# KiCad board mini Inverter.kicad_pcb
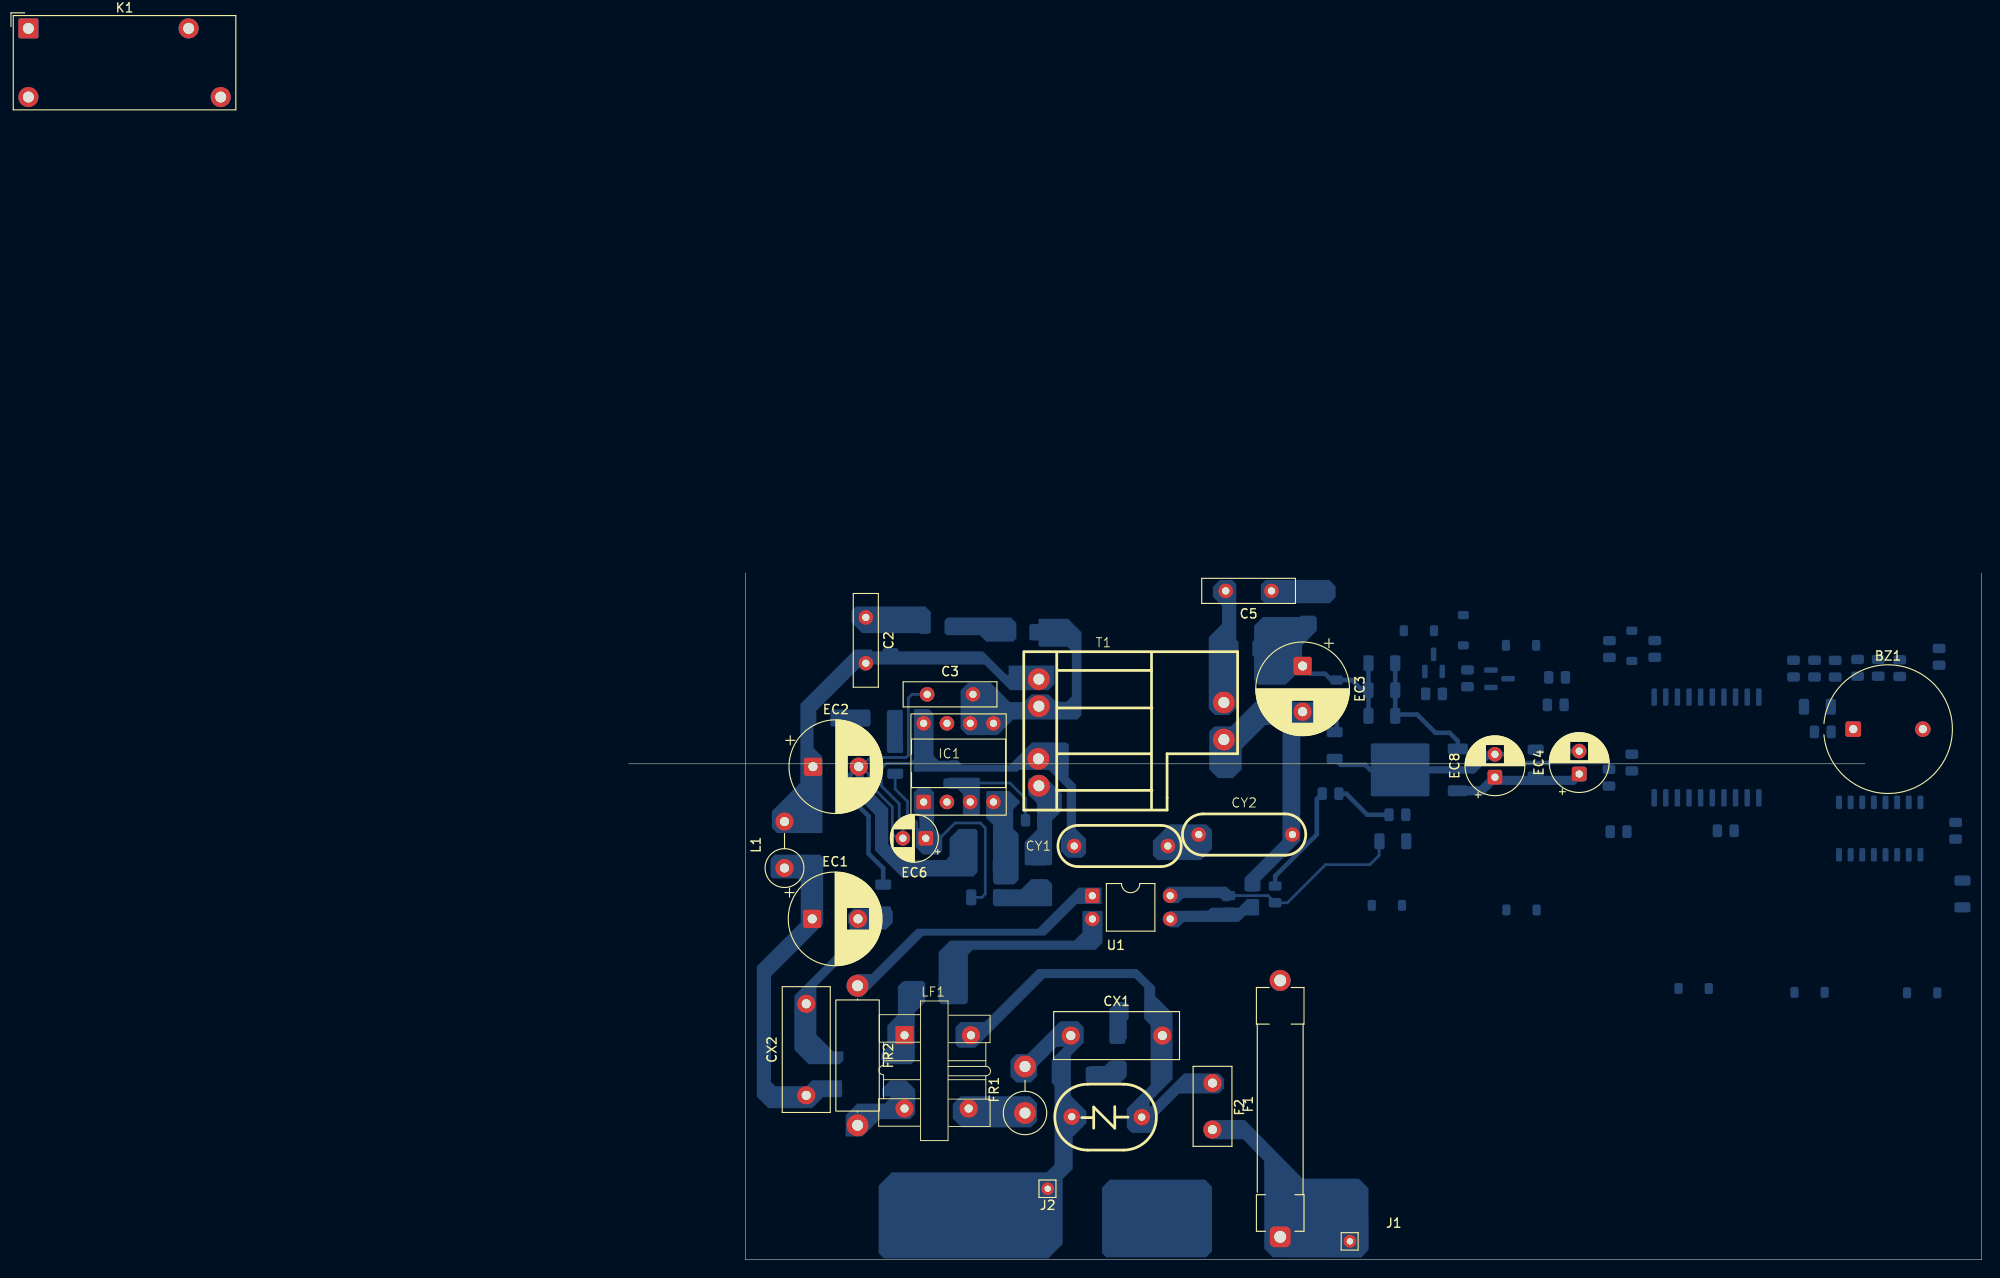
[diagram p0: board, top side]
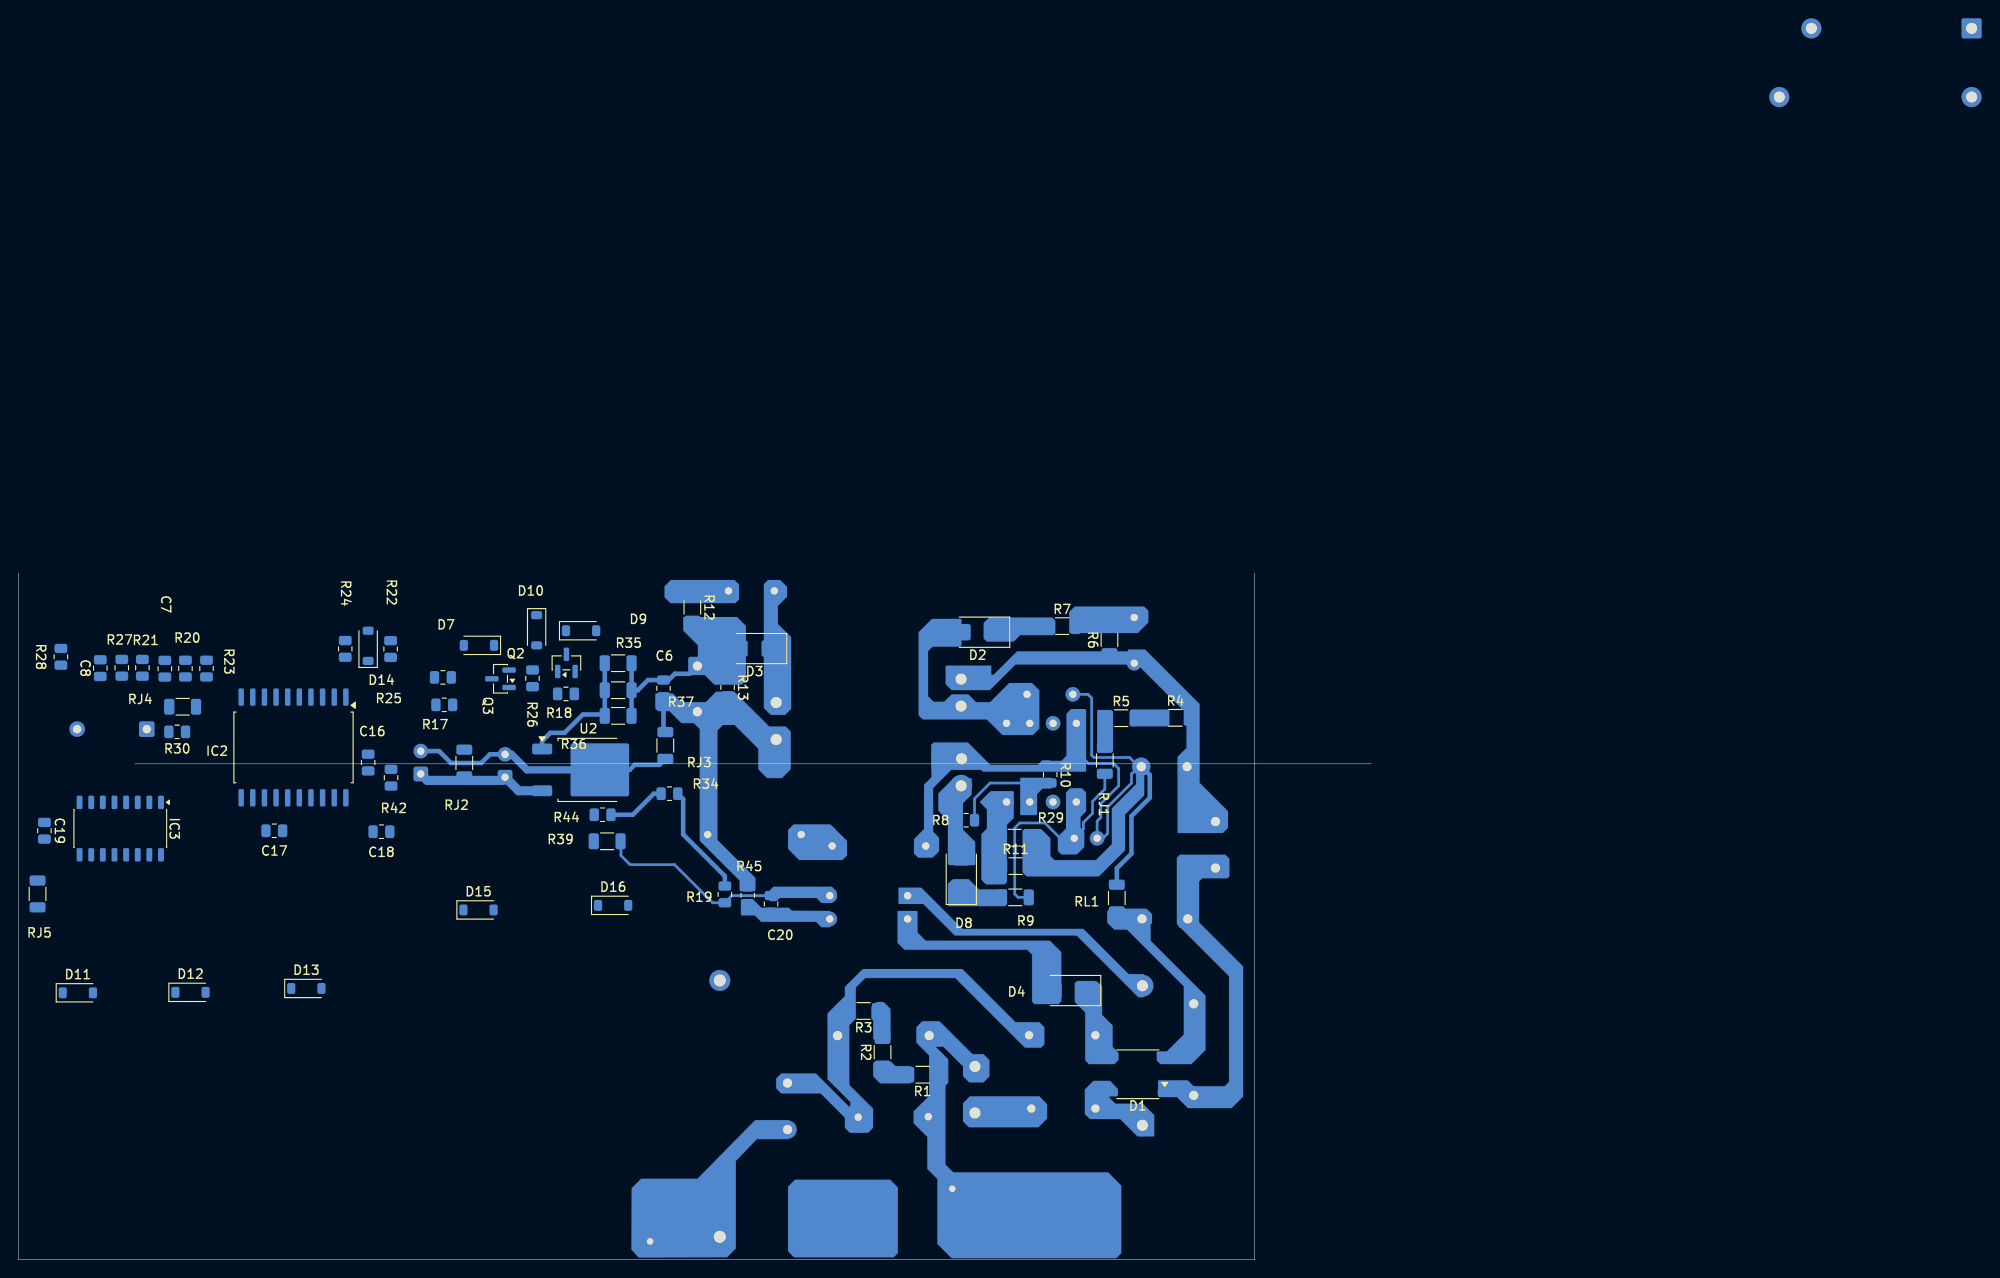
[diagram p1: board, bottom side, seen from below]

Outline 147.75 x 75 mm; copper layers: Top, Bottom. Coordinates in mm from the lower left corner of the outline.
Outline path: 12.75,75 12.75,0 147.75,0 147.75,75 ; 135,54.16 0,54.16

## Placement (name value [footprint] x y rotation side)
BZ1  Buzzer  [Indicator_PUI_AI-1440-TWT-24V-2-R]  133.72 57.95 0 top
C2  C  [C_Disc_D10.0mm_W2.5mm_P5.00mm]  25.9 70.15 270 top
C3  C  [C_Disc_D10.0mm_W2.5mm_P5.00mm]  32.6 61.75 0 top
C4  C_Variable  [RV_Disc_D12mm_W7.1mm_P7.5mm]  52.02 15.55 0 top
C5  C  [C_Disc_D10.0mm_W2.5mm_P5.00mm]  70.2 73.05 180 top
C6  0805  [R_0805_2012Metric]  77.3 62.4 270 bottom
C7  0805  [R_0805_2012Metric]  131.75 64.55 270 bottom
C8  0805  [R_0805_2012Metric]  138.8 64.61 90 bottom
C16  0805  [R_0805_2012Metric]  109.55 54.3 270 bottom
C17  0805  [R_0805_2012Metric]  119.8 46.85 180 bottom
C18  0805  [R_0805_2012Metric]  108.1 46.75 180 bottom
C19  0805  [R_0805_2012Metric]  144.9 46.85 270 bottom
C20  0805  [R_0805_2012Metric]  65.55 38.86 270 bottom
CX1  0.1u  [C_Rect_L13.5mm_W5.0mm_P10.00mm_FKS3_FKP3_MKS4]  48.29 24.47 0 top
CX2  0.1u  [C_Rect_L13.5mm_W5.0mm_P10.00mm_FKS3_FKP3_MKS4]  19.4 17.95 90 top
CY1  C  [TU CY]  53.6 45.2 0 top
CY2  C  [TU CY]  67.2 46.45 0 top
D1  MDB10S  [TSSOP-4_4.4x5mm_P4mm]  25.51 20.25 0 bottom
D2  1N4007  [D_SMA]  43 68.54 0 bottom
D3  1N4007  [D_SMA]  67.35 66.75 0 bottom
D4  1N4007  [D_SMA]  33.06 29.4 0 bottom
D7  1N4148W  [D_SOD-123]  97.45 67.1 0 bottom
D8  1N4007  [D_SMA]  44.78 42.3 90 bottom
D9  1N4148W  [D_SOD-123]  86.3 68.7 180 bottom
D10  1N4148W  [D_SOD-123]  91.15 68.75 270 bottom
D11  1N4148W  [D_SOD-123]  141.25 29.15 180 bottom
D12  1N4148W  [D_SOD-123]  128.95 29.2 180 bottom
D13  1N4148W  [D_SOD-123]  116.3 29.62 180 bottom
D14  1N4148W  [D_SOD-123]  109.55 67.05 90 bottom
D15  1N4148W  [D_SOD-123]  97.5 38.2 180 bottom
D16  1N4148W  [D_SOD-123]  82.8 38.7 180 bottom
EC1  C_Polarized  [CP_Radial_D10.0mm_P5.00mm]  20.05 37.22 0 top
EC2  C_Polarized  [CP_Radial_D10.0mm_P5.00mm]  20.13 53.85 0 top
EC3  C_Polarized  [CP_Radial_D10.0mm_P5.00mm]  73.6 64.85 270 top
EC4  C_Polarized  [CP_Radial_D6.3mm_P2.50mm]  103.8 53.05 90 top
EC6  C_Polarized  [CP_Radial_D5.0mm_P2.50mm]  32.45 46.03 180 top
EC8  C_Polarized  [CP_Radial_D6.3mm_P2.50mm]  94.6 52.7 90 top
F1  16A  [FUSE 16A D28mm]  71.15 2.5 90 top
F2  3.15A  [Fuse_Littelfuse_395Series]  63.76 19.29 270 top
FR1  R  [R_Axial_DIN0414_L11.9mm_D4.5mm_P5.08mm_Vertical]  43.29 16.03 90 top
FR2  R  [R_Axial_DIN0414_L11.9mm_D4.5mm_P15.24mm_Horizontal]  25 29.92 270 top
IC1  KP2122DP  [DIP8 KP2122DP]  35.02 54.77 0 top
IC2  SOP20_IC  [SOP-20_7.5x12.8mm_P1.27mm]  117.7 55.95 270 bottom
IC3  SOP16_IC  [JEITA_SOIC-16_3.9x9.9mm_P1.27mm]  136.62 47.09 270 bottom
J1  ACL  [Pin_D0.7mm_L6.5mm_W1.8mm_FlatFork]  78.76 2 0 top
J2  ACN  [Pin_D0.7mm_L6.5mm_W1.8mm_FlatFork]  45.76 7.75 0 top
K1  ADW11  [Relay_SPST_Panasonic_ADW11]  -65.54 134.49 0 top
L1  L  [L_Axial_L9.5mm_D4.0mm_P5.08mm_Vertical_Fastron_SMCC]  17.03 42.78 90 top
LF1  L_Coupled_1243  [UUAC]  33.99 36.5 0 top
Q2  AO3400A  [SOT-23]  87.9 65.19 90 bottom
Q3  AO3400A  [SOT-23]  95.1 63.45 0 bottom
R1  R  [R_1206_3216Metric]  49.01 20.2 0 bottom
R2  R  [R_1206_3216Metric]  53.38 22.66 90 bottom
R3  R  [R_1206_3216Metric]  55.45 27.17 0 bottom
R4  0  [R_1206_3216Metric]  21.4 59.19 180 bottom
R5  0  [R_1206_3216Metric]  27.32 59.15 180 bottom
R6  0  [R_1206_3216Metric]  28.6 67.7 90 bottom
R7  0  [R_1206_3216Metric]  33.77 69.2 180 bottom
R8  0  [R_0805_2012Metric]  44.25 48 180 bottom
R9  0  [R_1206_3216Metric]  38.88 39.57 180 bottom
R10  0  [R_0805_2012Metric]  35.07 52.98 270 bottom
R11  0  [R_1206_3216Metric]  38.86 42.99 180 bottom
R12  1206  [R_1206_3216Metric]  74.15 71.25 270 bottom
R13  0805  [R_0805_2012Metric]  70.3 62.5 270 bottom
R17  0805  [R_0805_2012Metric]  101.24 60.6 180 bottom
R18  0805  [R_0805_2012Metric]  87.95 61.8 180 bottom
R19  0805  [R_0805_2012Metric]  70.6 39.9 270 bottom
R20  0805  [R_0805_2012Metric]  129.5 64.56 90 bottom
R21  0805  [R_0805_2012Metric]  134.2 64.65 90 bottom
R22  0805  [R_0805_2012Metric]  107.1 66.7 90 bottom
R23  0805  [R_0805_2012Metric]  127.2 64.56 270 bottom
R24  0805  [R_0805_2012Metric]  112.05 66.71 90 bottom
R25  0805  [R_0805_2012Metric]  101.39 63.6 180 bottom
R26  0805  [R_0805_2012Metric]  91.6 63.5 90 bottom
R27  0805  [R_0805_2012Metric]  136.45 64.65 90 bottom
R28  0805  [R_0805_2012Metric]  143.1 65.85 270 bottom
R29  0  [R_1206_3216Metric]  38.95 46.09 180 bottom
R30  0805  [R_0805_2012Metric]  130.4 57.65 180 bottom
R34  0805  [R_0805_2012Metric]  76.65 50.9 180 bottom
R35  1206  [R_1206_3216Metric]  82.25 65.15 0 bottom
R36  1206  [R_1206_3216Metric]  82.25 62.2 0 bottom
R37  1206  [R_1206_3216Metric]  82.25 59.4 0 bottom
R39  1206  [R_1206_3216Metric]  83.45 45.7 0 bottom
R42  0805  [R_0805_2012Metric]  107.05 52.65 90 bottom
R44  0805  [R_0805_2012Metric]  83.95 48.6 0 bottom
R45  0805  [R_0805_2012Metric]  68.1 39.8 270 bottom
RJ1  0  [R_1206_3216Metric]  29.11 54.53 90 bottom
RJ2  1206  [R_1206_3216Metric]  99.05 54.25 270 bottom
RJ3  1206  [R_1206_3216Metric]  77.1 56.16 270 bottom
RJ4  1206  [R_1206_3216Metric]  129.81 60.39 180 bottom
RJ5  1206  [R_1206_3216Metric]  145.65 39.95 270 bottom
RL1  0  [R_1206_3216Metric]  27.8 39.5 270 bottom
T1  ~  [Bien_ap_KP2122]  53.33 69.8 0 top
U1  LTV-817  [DIP-4_W7.62mm]  50.64 39.75 0 top
U2  L7805  [TO-252-2]  85.51 53.5 180 bottom

## Library data of the parts
BZ1 = -: Description: Buzzer, polarized; ki_fp_filters: *Buzzer*
C2 C3 C5 CX1 CX2 = -: Description: Unpolarized capacitor; KiLib_Generator: capacitor/THT/other; ki_fp_filters: C_*
C4 = -: Description: Variable capacitor
C6-C8 C16-C20 = -: Description: Unpolarized capacitor; KiLib_Generator: SMD_2terminal_chip_molded; ki_fp_filters: C_*
CY1 CY2 = -: Description: Unpolarized capacitor; ki_fp_filters: C_*
D1 = -: Datasheet: https://www.onsemi.com/pub/Collateral/MDB8S-D.PDF; Description: Single-Phase Bridge Rectifier, 700V Vrms, 1A If, TSSOP-4; KiLib_Generator: package/gullwing; ki_fp_filters: TSSOP*4.4x5mm*P4mm*
D2-D4 D8 = -: Datasheet: http://www.vishay.com/docs/88503/1n4001.pdf; Description: 1000V 1A General Purpose Rectifier Diode, DO-41; Sim.Device: D; Sim.Pins: 1=K 2=A; ki_fp_filters: D*DO?41*
D7 D9-D16 = -: Datasheet: https://www.vishay.com/docs/85748/1n4148w.pdf; Description: 75V 0.15A Fast Switching Diode, SOD-123; Sim.Device: D; Sim.Pins: 1=K 2=A; ki_fp_filters: D*SOD?123*
EC1-EC4 EC6 EC8 = -: Description: Polarized capacitor; KiLib_Generator: capacitor/THT/other; ki_fp_filters: CP_*
F1 F2 = -: Description: Fuse; ki_fp_filters: *Fuse*
FR1 FR2 = -: Description: Resistor; KiLib_Generator: resistor/THT; ki_fp_filters: R_*
IC1 = -: Datasheet: https://assets.nexperia.com/documents/data-sheet/74AHC_AHCT244.pdf; Description: 8-bit Buffer/Line Driver 3-state; ki_fp_filters: TSSOP*4.4x6.5mm*P0.65mm* SSOP*4.4x6.5mm*P0.65mm*
IC2 IC3 = -: KiLib_Generator: package/gullwing; ki_fp_filters: DIP*W7.62mm*
J1 J2 = -: Description: Generic screw terminal, single row, 01x01, script generated (kicad-library-utils/schlib/autogen/connector/); ki_fp_filters: TerminalBlock*:*
K1 = -: Datasheet: https://api.pim.na.industrial.panasonic.com/file_stream/main/fileversion/270; Description: Panasonic, 8A/16A, Small Polarized Latching Power Relays, Single coil, 1 Form A; ki_fp_filters: Relay*SPST*Panasonic*ADW11*
L1 = -: Description: Inductor; KiLib_Generator: choke_THT; ki_fp_filters: Choke_* *Coil* Inductor_* L_*
LF1 = -: Description: Coupled inductor; ki_fp_filters: Choke_* *Coil* Inductor_* L_*
Q2 Q3 = -: Datasheet: http://www.aosmd.com/pdfs/datasheet/AO3400A.pdf; Description: 30V Vds, 5.7A Id, N-Channel MOSFET, SOT-23; KiLib_Generator: package/gullwing; ki_fp_filters: SOT?23*
R1-R13 R17-R30 R34-R37 R39 R42 R44 R45 RJ1-RJ5 RL1 = -: Description: Resistor; KiLib_Generator: SMD_2terminal_chip_molded; ki_fp_filters: R_*
U1 = -: Datasheet: http://www.us.liteon.com/downloads/LTV-817-827-847.PDF; Description: DC Optocoupler, Vce 35V, CTR 50%, DIP-4; KiLib_Generator: package/DIP/legacy; ki_fp_filters: DIP*W7.62mm*
U2 = -: Datasheet: http://www.st.com/content/ccc/resource/technical/document/datasheet/41/4f/b3/b0/12/d4/47/88/CD00000444.pdf/files/CD00000444.pdf/jcr:content/translations/en.CD00000444.pdf; Description: Positive 1.5A 35V Linear Regulator, Fixed Output 5V, TO-220/TO-263/TO-252; KiLib_Generator: package/TO_SOT/SMD; ki_fp_filters: TO?252* TO?263* TO?220*

## Footprints (pads in the part's own frame, mm; a bottom-side part is the same pattern mirrored in y, then rotated)
Bien_ap_KP2122
  round 2.4 hole 1.2: 1(-8.53,-6.39) 2(-8.53,-9.34) 3(-8.58,-15.09) 4(-8.53,-18.04) 5(11.67,-12.99) 6(11.67,-8.94)
C_Disc_D10.0mm_W2.5mm_P5.00mm
  round 1.6 hole 0.8: 1(0,0) 2(5,0)
C_Rect_L13.5mm_W5.0mm_P10.00mm_FKS3_FKP3_MKS4
  round 2 hole 1: 1(0,0) 2(10,0)
CP_Radial_D5.0mm_P2.50mm
  rrect 1.6x1.6 hole 0.8: 1(0,0)
  round 1.6 hole 0.8: 2(2.5,0)
CP_Radial_D6.3mm_P2.50mm
  rrect 1.6x1.6 hole 0.8: 1(0,0)
  round 1.6 hole 0.8: 2(2.5,0)
CP_Radial_D10.0mm_P5.00mm
  rrect 2x2 hole 1: 1(0,0)
  round 2 hole 1: 2(5,0)
D_SMA
  rrect 2.5x1.8 smd: 1(-2,0) 2(2,0)
D_SOD-123
  rrect 0.9x1.2 smd: 1(-1.65,0) 2(1.65,0)
DIP8 KP2122DP
  rrect 1.6x1.6 hole 0.8: 1(-2.8,-4.775)
  round 1.6 hole 0.8: 2(-0.26,-4.775) 3(2.28,-4.775) 4(4.82,-4.775) 5(4.82,3.815) 6(2.28,3.815) 7(-0.26,3.815) 8(-2.81,3.815)
DIP-4_W7.62mm
  rrect 1.6x1.6 hole 0.8: 1(0,0)
  round 1.6 hole 0.8: 2(0,-2.54) 3(8.5,-2.54) 4(8.5,0)
FUSE 16A D28mm
  rrect 2.3x2.3 hole 1.3: 1(0,0)
  round 2.3 hole 1.3: 2(28,0)
Fuse_Littelfuse_395Series
  round 2 hole 1: 1(0,0) 2(5.08,-0.01)
Indicator_PUI_AI-1440-TWT-24V-2-R
  rrect 1.7x1.7 hole 0.9: 1(0,0)
  round 1.7 hole 0.9: 2(7.6,0)
JEITA_SOIC-16_3.9x9.9mm_P1.27mm
  rrect 1.475x0.65 smd: 1(-2.862,4.445) 2(-2.862,3.175) 3(-2.862,1.905) 4(-2.862,0.635) 5(-2.862,-0.635) 6(-2.862,-1.905) 7(-2.862,-3.175) 8(-2.862,-4.445) 9(2.862,-4.445) 10(2.862,-3.175) 11(2.862,-1.905) 12(2.862,-0.635) 13(2.862,0.635) 14(2.862,1.905) 15(2.862,3.175) 16(2.862,4.445)
L_Axial_L9.5mm_D4.0mm_P5.08mm_Vertical_Fastron_SMCC
  round 2 hole 1: 1(0,0) 2(5.08,0)
Pin_D0.7mm_L6.5mm_W1.8mm_FlatFork
  round 1.4 hole 0.7: 1(0,0)
R_0805_2012Metric
  rrect 1.025x1.4 smd: 1(-0.912,0) 2(0.912,0)
R_1206_3216Metric
  rrect 1.125x1.75 smd: 1(-1.462,0) 2(1.462,0)
R_Axial_DIN0414_L11.9mm_D4.5mm_P5.08mm_Vertical
  round 2.4 hole 1.2: 1(0,0) 2(5.08,0)
R_Axial_DIN0414_L11.9mm_D4.5mm_P15.24mm_Horizontal
  round 2.4 hole 1.2: 1(0,0) 2(15.24,0)
Relay_SPST_Panasonic_ADW11
  oval 2.2x2.2 hole 1.2: 13(17.5,0) 14(21,-7.5)
  rrect 2.2x2.2 hole 1.2: A1(0,0)
  round 2.2 hole 1.2: A2(0,-7.5)
RV_Disc_D12mm_W7.1mm_P7.5mm
  round 1.8 hole 0.8: 1(-3.63,0.072) 2(4.02,0.02)
SOP-20_7.5x12.8mm_P1.27mm
  rrect 1.9x0.6 smd: 1(-5.5,5.715) 2(-5.5,4.445) 3(-5.5,3.175) 4(-5.5,1.905) 5(-5.5,0.635) 6(-5.5,-0.635) 7(-5.5,-1.905) 8(-5.5,-3.175) 9(-5.5,-4.445) 10(-5.5,-5.715) 11(5.5,-5.715) 12(5.5,-4.445) 13(5.5,-3.175) 14(5.5,-1.905) 15(5.5,-0.635) 16(5.5,0.635) 17(5.5,1.905) 18(5.5,3.175) 19(5.5,4.445) 20(5.5,5.715)
SOT-23
  rrect 1.475x0.6 smd: 1(-0.938,0.95) 2(-0.938,-0.95) 3(0.938,0)
TO-252-2
  rrect 3.05x2.75 smd: (-0.415,-1.525) (-0.415,1.525) (2.935,-1.525) (2.935,1.525)
  rrect 2.2x1.2 smd: 1(-5.04,2.28) 3(-5.04,-2.28)
  rrect 6.4x5.8 smd: 2(1.26,0)
TSSOP-4_4.4x5mm_P4mm
  rrect 1.525x0.8 smd: 1(-2.938,2) 2(-2.938,-2) 3(2.938,-2) 4(2.938,2)
TU CY
  round 1.6 hole 0.8: 1(-4.945,-0.015) 2(5.285,-0.015)
UUAC
  rect 2x2 hole 0.9: 1(-3.86,-11.99)
  round 2 hole 0.9: 2(3.39,-11.99) 3(3.14,-19.99) 4(-3.86,-19.99)

## Nets
Net-(C2-Pad1): C2.1 R6.2 R7.2
Net-(C2-Pad2): C2.2 EC2.1 L1.2 R4.2 R6.1 T1.1
Net-(C3-Pad1): C3.1 CY1.1 EC2.2 EC6.2 IC1.8 R10.1 R11.2 R29.2 RL1.1 T1.3
Net-(C4-Pad2): C4.2 CX1.2 F2.1 LF1.2 R3.2
Net-(C5-Pad1): C5.1 R12.1
Net-(C6-Pad2): C6.2 CY2.2 EC3.2 R13.2 R45.1 RJ3.1 T1.5
Net-(C20-Pad1): C20.1 R19.2 R39.1 U1.4
Net-(C20-Pad2): C20.2 R45.2 U1.3
Net-(CY1-Pad2): CY1.2 CY2.1
Net-(D1-+): CX2.1 D1.1 EC1.1 L1.1
Net-(D1--): CX2.2 D1.2 EC1.2 RL1.2
Net-(D1-Pad4): D1.4 FR2.2 LF1.4
Net-(D2-A): C3.2 D2.2 IC1.5 IC1.6 T1.2
Net-(D2-K): D2.1 R7.1
Net-(D3-A): C6.1 D3.2 EC3.1 R12.2 R13.1 R35.1 R36.1 R37.1
Net-(D3-K): C5.2 D3.1 T1.6
Net-(D4-A): D4.2 U1.2
Net-(D4-K): D1.3 D4.1 LF1.1
Net-(D8-A): D8.2 R8.1 T1.4
Net-(D8-K): D8.1 R9.1
Net-(FR1-Pad1): FR1.1 LF1.3
Net-(FR2-Pad1): FR2.1 U1.1
Net-(IC1-FB): IC1.3 R8.2 R10.2
Net-(IC1-VDD): EC6.1 IC1.1 R9.2 RJ1.1
Net-(J1-Pin_1): F1.1 F2.2 J1.1
Net-(J2-Pin_1): C4.1 CX1.1 FR1.2 J2.1 R1.1
Net-(R1-Pad2): R1.2 R2.1
Net-(R2-Pad2): R2.2 R3.1
Net-(R4-Pad1): R4.1 R5.2
Net-(R5-Pad1): R5.1 RJ1.2
Net-(R11-Pad1): R11.1 R29.1
Net-(R19-Pad1): R19.1 R34.2
Net-(R34-Pad1): R34.1 R44.1
Net-(U2-GND): EC4.2 EC8.2 RJ3.2 U2.2
Net-(U2-IN): R35.2 R36.2 R37.2 U2.1
Net-(U2-OUT): EC4.1 EC8.1 U2.3

Pads without a net: BZ1 1 2; C7 1 2; C8 1 2; C16 1 2; C17 1 2; C18 1 2; C19 1 2; D7 1 2; D9 1 2; D10 1 2; D11 1 2; D12 1 2; D13 1 2; D14 1 2; D15 1 2; D16 1 2; F1 2; IC1 2 4 7; IC2 1 2 3 4 5 6 7 8 9 10 11 12 13 14 15 16 17 18 19 20; IC3 1 2 3 4 5 6 7 8 9 10 11 12 13 14 15 16; K1 13 14 A1 A2; Q2 1 2 3; Q3 1 2 3; R17 1 2; R18 1 2; R20 1 2; R21 1 2; R22 1 2; R23 1 2; R24 1 2; R25 1 2; R26 1 2; R27 1 2; R28 1 2; R30 1 2; R39 2; R42 1 2; R44 2; RJ2 1 2; RJ4 1 2; RJ5 1 2

## Routing (per net, layer and track width the routed paths; a pad name or vN(x,y) marks a point on that pad's centre or on a via; arc(x,y) is an arc through that point)
Net-(C3-Pad1): length 56.5
  Bottom w0.3: IC1.8 32.21,55.51 30.9,54.2 28.15,54.2 27.6,53.65 27.6,51.75 29.55,49.8 29.55,48.3 29.95,47.9 EC6.2 29.32,46.03 28.8,46.55 28.8,49.45 26.2,52.05 26.2,53.05 25.25,54 25.55,54 26.4,54.85 30.3,54.85 30.55,55.1 30.55,61.35 30.95,61.75 C3.1
  Bottom w0.5: RL1.1 27.8,42.75 26.2,44.35 26.2,48.45 24.2,50.45 24.2,52.95 25.25,54
Net-(C4-Pad2): length 2.2
  Bottom w0.2: LF1.2 38.36,24.51 ; 58.29,20.96 58.3,20.95 ; 55.8,16.2 56.44,15.55
  Bottom w0.8: 56.7,15.55 56.44,15.55 ; F2.1 63.72,19.25
Net-(C6-Pad2): length 6.6
  Bottom w0.5: T1.5 66.16,56.81 ; 70.3,60.95 R13.2 70.3,60.75 ; RJ3.1 77.3,57.83 C6.2
Net-(C20-Pad1): length 20.2
  Bottom w0.3: C20.1 69.82,39.77 R19.2 71.94,38.99 76.1,43.15 80.95,43.15 81.95,44.15 81.95,45.45
Net-(D3-A): length 14
  Bottom w0.5: R36.1 R37.1 ; R36.1 80.1,62.2 78.99,63.31 C6.1 76.74,63.31 76.05,64 74.45,64 EC3.1 ; R36.1 R35.1
Net-(IC1-FB): length 11.3
  Bottom w0.3: R10.2 41.64,52.06 43.34,50.36 R8.2
Net-(IC1-VDD): length 28.8
  Bottom w0.3: EC6.1 33.98,46.03 35.65,47.7 38.4,47.7 38.95,47.15 38.95,39.95 38.57,39.57 R9.2 ; EC6.1 31.45,47.03 31.45,47.75 30.45,48.75 30.45,50.05 29.11,51.39 RJ1.1 ; EC6.1 32.45,49.77 IC1.1
Net-(R19-Pad1): length 12.2
  Bottom w0.5: R34.2 75.74,50.89 75.15,50.3 75.15,46.45 70.6,41.9 R19.1
Net-(R34-Pad1): length 6.4
  Bottom w0.5: R34.1 78.35,50.9 80.65,48.6 R44.1
Net-(U2-GND): length 28.8
  Bottom w0.5: EC8.2 96.25,55.2 97.2,54.25 100.5,54.25 101.8,55.55 EC4.2 ; U2.2 81,53.5 80.45,54.05 77.75,54.05 RJ3.2
  Bottom w0.8: EC8.2 93.9,55.2 92.2,53.5 U2.2
Net-(U2-IN): length 14.7
  Bottom w0.5: R35.2 R36.2 R37.2 83.86,59.55 86.1,59.55 88.1,57.55 89.65,57.55 90.55,56.65 U2.1
Net-(U2-OUT): length 14.3
  Bottom w1: EC4.1 103.1,52.35 94.95,52.35 EC8.1 93.12,51.22 U2.3

## Copper pours and planes (outline as drawn; the poured copper is in the pictures)
Net-(C2-Pad1) on Bottom (solid shape): 24.85,71.25 24.45,70.85 24.45,69.64 25.55,68.54 32.9,68.54 32.9,70.7 32.35,71.25
Net-(C2-Pad2) on Bottom (solid shape): 16.25,46.7 15.75,47.2 15.75,48.95 18.85,52.05 18.85,60.65 24.75,66.55 26.5,66.55 26.3,66.35 38.65,66.35 41.2,63.8 41.6,63.8 41.6,64.8 46.4,64.8 46.4,62.9 45.8,62.3 41.7,62.3 38.9,65.1 26.3,65.1 26.15,64.95 25.35,64.95 20.1,59.7 20.1,55.85 21.07,54.88 21.07,46.7
Net-(C3-Pad1) on Bottom (solid shape): 47.95,56.2 47.95,52.65 48.75,51.85 48.75,47 49.85,45.9 49.85,44.4 49.45,44 47.95,44 47.3,44.65 47.3,46.05 47.95,46.7 47.95,51.55 45.65,53.85 45.6,53.85
Net-(C3-Pad1) on Bottom (solid shape): 31.25,53.4 42.39,53.4 42.61,53.6 47.95,53.6 47.95,56.2 47.75,56.4 44.1,56.4 41.65,53.95 36.4,53.95 35.9,54.45 35.12,54.45 35.07,54.4 33.8,54.4 33.2,55 33.2,59.6 32.75,60.05 31.3,60.05 31.25,60
Net-(C3-Pad1) on Bottom (solid shape): 24.9,53.5 24.9,50.75 27,48.65 27,44.75 29.8,41.95 37.6,41.95 38,42.35 38,46.8 37.85,46.95 36.1,46.95 35.15,46 35.15,44.05 34.65,43.55 30.05,43.55 28.25,45.35 28.25,49.25 25.6,51.9 25.6,53.5
Net-(C4-Pad2) on Bottom (solid shape): 60.7,20.25 57.2,16.75 57.2,16.65 56.8,16.65 56.8,17.25 59.3,19.75 59.3,26.85 57.4,28.75 57.4,29.75 55.5,31.65 44.7,31.65 38.9,25.85 36.3,25.85 35.8,25.35 35.8,23.55 36.1,23.25 37.8,23.25 45.4,30.85 55.3,30.85 56.4,29.75 56.4,26.35 57.1,25.65 57.1,19.05 54.5,16.45 54.5,14.45 55,13.95 56.9,13.95 57.4,14.45 57.4,15.55 60.1,18.25 64.4,18.25 64.9,18.75 64.9,19.75 64.4,20.25
Net-(C5-Pad1) on Bottom (solid shape): 69.15,72.15 69.5,71.8 76.5,71.8 77.1,72.4 77.1,73.5 76.45,74.15 69.6,74.15 69.15,73.7
Net-(C6-Pad2) on Bottom (solid shape): 68.9,40.4 68.9,41.45 73.25,45.8 73.25,58 73.95,58.7 75.3,58.7 76.6,60 77.85,60 78.1,60.25 78.1,61.75 76.3,61.75 75.35,60.8 72.65,60.8 71.5,61.95 69.6,61.95 65.8,58.15 64,58.15 63.5,57.65 63.5,53.6 64.4,52.7 65.95,52.7 66.85,53.6 66.85,55.85 69.5,58.5 70.85,58.5 71.5,57.85 71.5,45.8 67.35,41.65 67.35,40.4 67.4,40.35 68.85,40.35
Net-(C20-Pad1) on Bottom (solid shape): 59.05,39.05 60,39.05 60.55,39.6 64.65,39.6 65,39.25 65.6,39.25 65.6,40.3 65.25,40.65 58.95,40.65 58.5,40.2 58.5,39.6
Net-(C20-Pad2) on Bottom (solid shape): 66.65,38.35 65.6,38.35 65.6,37 66.6,37 67.3,37.7 68.75,37.7 68.75,39.25 67.55,39.25
Net-(C20-Pad2) on Bottom (solid shape): 63.69,38.36 63.65,38.34 63.32,38.03 59.16,38 59.16,36.4 60.01,36.4 60.61,37 65.76,37 66.15,37.39 66.15,38.11 65.91,38.35
Net-(CY1-Pad2) on Bottom (solid shape): 57.35,45.7 57.35,44.2 57.8,43.75 62.45,43.75 63.6,44.9 63.6,46.9 63.05,47.45 59.1,47.45
Net-(D1-+) on Bottom (solid shape): 23.2,19.5 20.1,19.5 19.7,19.1 19.45,18.85 16,18.85 15.45,19.4 15.45,31 21.15,36.7 21.15,43.85 20.85,44.15 16,44.15 15.6,43.75 15.6,41.9 15.75,41.75 18.5,41.75 18.9,41.35 18.9,36.8 14.1,32 14.1,17.85 15.3,16.65 20,16.65 21.2,17.85 23.15,17.85 23.2,17.9
Net-(D1--) on Bottom (solid shape): 23.35,21.8 23,21.45 19.7,21.45 18.2,22.95 18.2,28.8 24.2,34.8 24.2,36.65 24.05,36.8 24.05,37.7 24.6,38.25 28.5,38.25 28.75,38 28.75,36.85 28.05,36.15 26.65,36.15 20.4,29.9 20.4,24.55 22.3,22.65 23.35,22.65
Net-(D1-Pad4) on Bottom (solid shape): 27.8,17.95 27.8,18.65 28.6,19.45 30.3,19.45 31.2,18.55 31.2,15.95 30.7,15.45 27.39,15.45 25.49,13.55 23.8,13.55 23.8,15.75 25,16.95 28,16.95 28.7,17.65 28.7,17.95
Net-(D2-A) on Bottom (solid shape): 44.85,69.9 47.95,69.9 49.35,68.5 49.35,59.5 48.95,59.1 41.95,59.1 40.25,57.4 37,57.4 36.35,58.05 36.35,62.15 37.1,62.9 39.5,62.9 41.6,60.8 43.2,60.8 44.05,61.65 45.8,61.65 46.6,60.85 47.85,60.85 48.5,61.5 48.5,66.5 47.95,67.05 44.95,67.05 44.85,67.15
Net-(D2-K) on Bottom (solid shape): 34.9,70.05 41.7,70.05 42.25,69.5 42.25,67.9 41.95,67.6 39.1,67.6 38.4,68.3 34.8,68.3 34.6,68.5 34.6,69.75
Net-(D3-A) on Bottom (solid shape): 69.3,70.1 68.4,69.2 68.4,63.3 68.8,62.9 71.7,62.9 73.45,64.65 73.45,67.15 75.05,68.75 75.05,70.1
Net-(D3-K) on Bottom (solid shape): 63.45,67.95 64.9,69.4 64.9,71.45 63.9,72.45 63.9,73.45 64.6,74.15 65.85,74.15 66.25,73.75 66.25,60.3 65.55,59.6 64.05,59.6 63.45,60.2
Net-(D4-A) on Bottom (solid shape): 49.65,38 49.65,35.7 48.7,34.75 35.15,34.75 33.95,33.55 33.95,28.25 34.2,28 36.75,28 36.95,28.2 36.95,33.35 37.55,33.95 50.95,33.95 51.65,34.65 51.65,38
Net-(D4-K) on Bottom (solid shape): 30,30.3 29.5,29.8 29.5,26.7 28.35,25.55 28.35,23.2 27.7,22.55 27.7,21.85 28.1,21.45 30.8,21.45 31.15,21.8 31.15,27.05 32.3,28.2 32.3,30.15 32.1,30.35 30.2,30.35 30.15,30.3
Net-(D8-A) on Bottom (solid shape): 43.75,52.48 43.75,50.83 44.7,49.88 44.7,46.93 43.35,45.58 43.35,43.23 43.38,43.18 46.07,43.18 46.15,43.28 46.15,48.03 47.2,49.08 47.2,50.88 45.6,52.48
Net-(D8-K) on Bottom (solid shape): 39.9,40.35 42.9,40.35 44,41.45 45.7,41.45 46.15,41 46.15,38.7 40.05,38.7 39.9,38.85
Net-(FR1-Pad1) on Bottom (solid shape): 36.3,17.75 35.5,16.95 35.5,15.45 36.4,14.55 43.9,14.55 44.5,15.15 44.5,17.05 43.8,17.75
Net-(FR2-Pad1) on Bottom (solid shape): 51.55,40.55 49.2,40.55 44.7,36.05 31.5,36.05 26.55,31.1 24.95,31.1 24.95,28.75 25.4,28.75 32.15,35.5 45.45,35.5 48.9,38.95 51.55,38.95
Net-(IC1-FB) on Bottom (solid shape): 38.25,48.65 38.25,52.55 35,52.55 35,51.55 35.95,51.55 36.6,50.9 36.6,48.7 36.65,48.65
Net-(IC1-VDD) on Bottom (solid shape): 31.45,45.1 32.2,44.35 33.8,44.35 34.15,44.7 34.15,46.15 33.25,47.05 33.25,51 32.85,51.4 31.65,51.4 31.25,51 31.25,49 31.85,48.4 31.85,47.15 31.45,46.75
Net-(J1-Pin_1) on Bottom (solid shape): 63.7,15.15 67.25,15.15 73.55,8.75 79.7,8.75 80.69,7.76 80.71,1.14 79.97,0.32 70.4,0.35 69.5,1.25 69.5,10.81 67.15,13.25 63.7,13.25
Net-(J2-Pin_1) on Bottom (solid shape): 43.87,19.45 42.4,19.45 41.8,20.05 41.8,21.75 42.4,22.35 43.6,22.35 47.2,25.95 49,25.95 49.6,25.35 49.6,23.75 48.2,22.35 48.2,17.85 49.9,16.15 49.9,14.95 48.4,13.45 48.4,9.95 47.3,8.85 47.3,1.75 45.8,0.25 27.9,0.25 27.4,0.75 27.4,8.05 28.8,9.45 45.7,9.45 46.6,10.35 46.6,19.05 46.3,19.35 46.3,21.85 47.7,23.25 47.6,23.35 46.7,23.35 44.5,21.15 44.5,20.08
Net-(R1-Pad2) on Bottom (solid shape): 50.4,21.05 52,21.05 52.5,21.55 54.2,21.55 54.3,21.45 54.3,20.05 53.6,19.35 50.4,19.35
Net-(R2-Pad2) on Bottom (solid shape): 54,28.05 53.3,28.05 52.6,27.35 52.6,24.15 54.3,24.15 54.3,26.15 54.5,26.35 54.5,27.55
Net-(R4-Pad1) on Bottom (solid shape): 22.15,60 26.2,60 26.25,59.95 26.25,58.35 22.15,58.35
Net-(R5-Pad1) on Bottom (solid shape): 28.45,55.45 28.3,55.6 28.3,59.75 28.5,59.95 29.85,59.95 29.85,55.45
Net-(R11-Pad1) on Bottom (solid shape): 39.14,51.08 39.14,48.28 39.89,47.53 39.89,41.28 40.09,41.08 42.04,41.08 42.49,41.53 42.49,46.43 41.89,47.03 41.89,49.23 42.64,49.98 41.54,51.08

Small or netless copper shapes (teardrops, artwork), in the pictures only: 1 on Bottom
